# KiCad board panelized.kicad_pcb (continued)
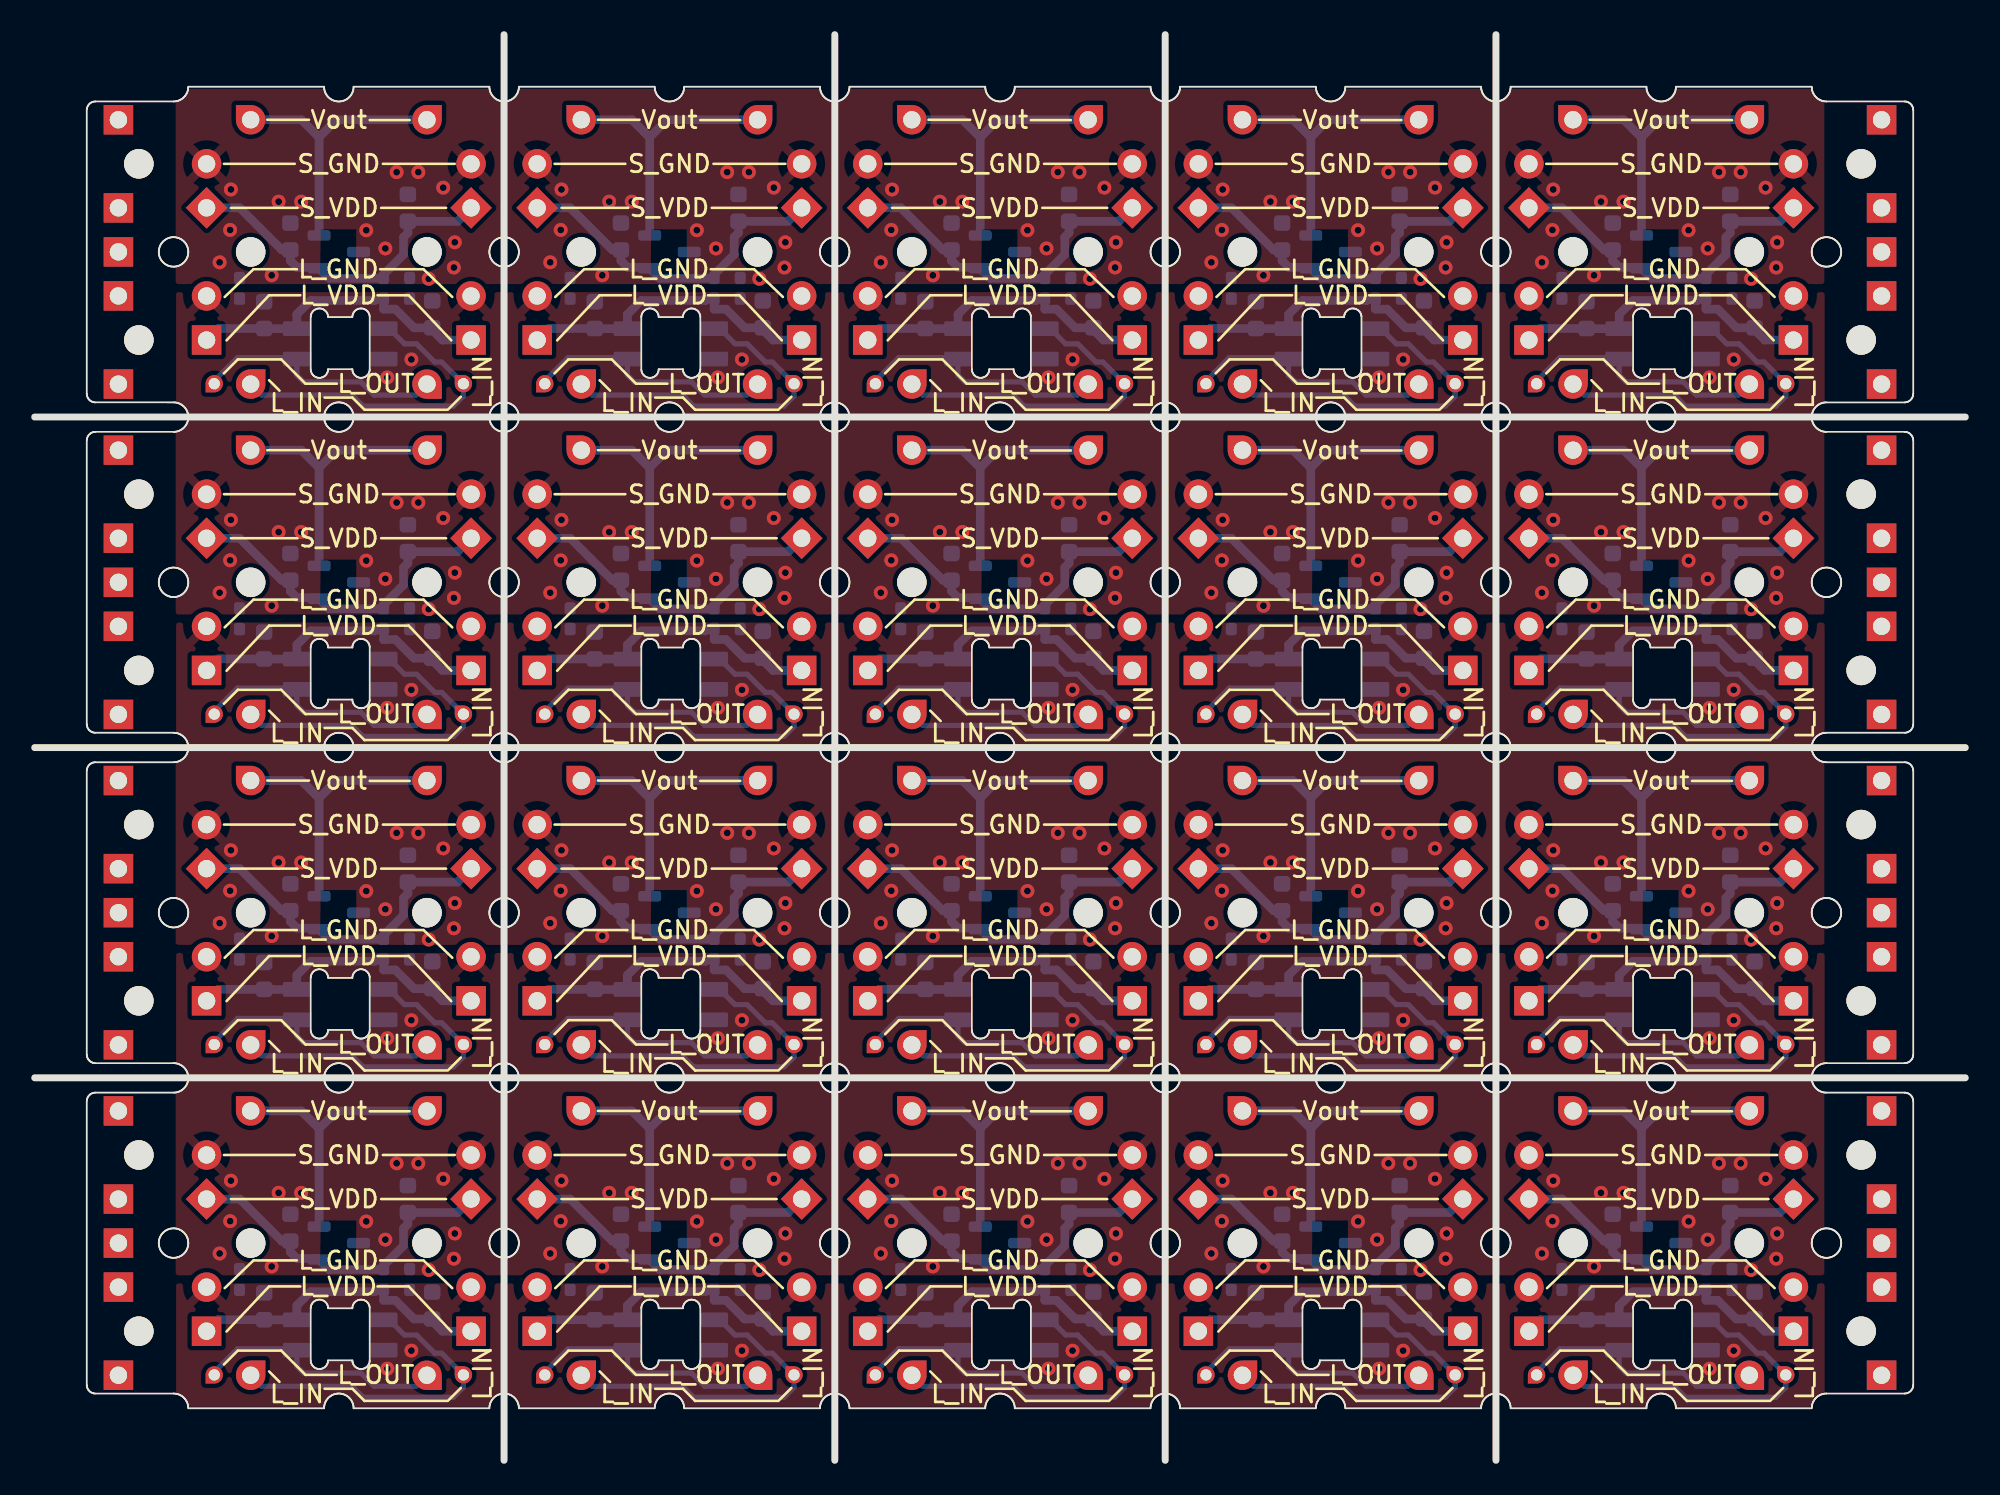
[diagram p0: board, top side]
## Placement (name value [footprint] x y rotation side) (continued)
J9#2  Conn_01x01_Pin  [PinHeader_1x01_P2.54mm_Vertical]  98.81 20.14 90 bottom
J9#3  Conn_01x01_Pin  [PinHeader_1x01_P2.54mm_Vertical]  79.75 39.2 90 bottom
J9#4  Conn_01x01_Pin  [PinHeader_1x01_P2.54mm_Vertical]  22.61 77.3 90 bottom
J9#5  Conn_01x01_Pin  [PinHeader_1x01_P2.54mm_Vertical]  41.66 58.25 90 bottom
J9#6  Conn_01x01_Pin  [PinHeader_1x01_P2.54mm_Vertical]  98.81 39.2 90 bottom
J9#7  Conn_01x01_Pin  [PinHeader_1x01_P2.54mm_Vertical]  22.61 39.2 90 bottom
J9#8  Conn_01x01_Pin  [PinHeader_1x01_P2.54mm_Vertical]  41.66 39.2 90 bottom
J9#9  Conn_01x01_Pin  [PinHeader_1x01_P2.54mm_Vertical]  41.66 20.14 90 bottom
J9#10  Conn_01x01_Pin  [PinHeader_1x01_P2.54mm_Vertical]  22.61 20.14 90 bottom
J9#11  Conn_01x01_Pin  [PinHeader_1x01_P2.54mm_Vertical]  60.71 77.3 90 bottom
J9#12  Conn_01x01_Pin  [PinHeader_1x01_P2.54mm_Vertical]  79.75 20.14 90 bottom
J9#13  Conn_01x01_Pin  [PinHeader_1x01_P2.54mm_Vertical]  98.81 77.3 90 bottom
J9#14  Conn_01x01_Pin  [PinHeader_1x01_P2.54mm_Vertical]  41.66 77.3 90 bottom
J9#15  Conn_01x01_Pin  [PinHeader_1x01_P2.54mm_Vertical]  60.71 20.14 90 bottom
J9#16  Conn_01x01_Pin  [PinHeader_1x01_P2.54mm_Vertical]  60.71 58.25 90 bottom
J9#17  Conn_01x01_Pin  [PinHeader_1x01_P2.54mm_Vertical]  60.71 39.2 90 bottom
J9#18  Conn_01x01_Pin  [PinHeader_1x01_P2.54mm_Vertical]  22.61 58.25 90 bottom
J9#19  Conn_01x01_Pin  [PinHeader_1x01_P2.54mm_Vertical]  79.75 58.25 90 bottom
J9#20  Conn_01x01_Pin  [PinHeader_1x01_P2.54mm_Vertical]  98.81 58.25 90 bottom
J10  Conn_01x01_Pin  [PinHeader_1x01_P2.54mm_Vertical]  31.5 77.3 180 bottom
J10#2  Conn_01x01_Pin  [PinHeader_1x01_P2.54mm_Vertical]  12.44 77.3 180 bottom
J10#3  Conn_01x01_Pin  [PinHeader_1x01_P2.54mm_Vertical]  31.5 58.25 180 bottom
J10#4  Conn_01x01_Pin  [PinHeader_1x01_P2.54mm_Vertical]  50.54 77.3 180 bottom
J10#5  Conn_01x01_Pin  [PinHeader_1x01_P2.54mm_Vertical]  88.65 77.3 180 bottom
J10#6  Conn_01x01_Pin  [PinHeader_1x01_P2.54mm_Vertical]  88.65 20.14 180 bottom
J10#7  Conn_01x01_Pin  [PinHeader_1x01_P2.54mm_Vertical]  69.59 77.3 180 bottom
J10#8  Conn_01x01_Pin  [PinHeader_1x01_P2.54mm_Vertical]  69.59 58.25 180 bottom
J10#9  Conn_01x01_Pin  [PinHeader_1x01_P2.54mm_Vertical]  12.44 39.2 180 bottom
J10#10  Conn_01x01_Pin  [PinHeader_1x01_P2.54mm_Vertical]  50.54 39.2 180 bottom
J10#11  Conn_01x01_Pin  [PinHeader_1x01_P2.54mm_Vertical]  88.65 39.2 180 bottom
J10#12  Conn_01x01_Pin  [PinHeader_1x01_P2.54mm_Vertical]  50.54 20.14 180 bottom
J10#13  Conn_01x01_Pin  [PinHeader_1x01_P2.54mm_Vertical]  88.65 58.25 180 bottom
J10#14  Conn_01x01_Pin  [PinHeader_1x01_P2.54mm_Vertical]  31.5 20.14 180 bottom
J10#15  Conn_01x01_Pin  [PinHeader_1x01_P2.54mm_Vertical]  12.44 20.14 180 bottom
J10#16  Conn_01x01_Pin  [PinHeader_1x01_P2.54mm_Vertical]  31.5 39.2 180 bottom
J10#17  Conn_01x01_Pin  [PinHeader_1x01_P2.54mm_Vertical]  12.44 58.25 180 bottom
J10#18  Conn_01x01_Pin  [PinHeader_1x01_P2.54mm_Vertical]  50.54 58.25 180 bottom
J10#19  Conn_01x01_Pin  [PinHeader_1x01_P2.54mm_Vertical]  69.59 39.2 180 bottom
J10#20  Conn_01x01_Pin  [PinHeader_1x01_P2.54mm_Vertical]  69.59 20.14 180 bottom
J11  Conn_01x01_Pin  [PinHeader_1x01_P1.27mm_Vertical]  10.34 62.08 180 bottom
J11#2  Conn_01x01_Pin  [PinHeader_1x01_P1.27mm_Vertical]  48.44 43.03 180 bottom
J11#3  Conn_01x01_Pin  [PinHeader_1x01_P1.27mm_Vertical]  48.44 4.92 180 bottom
J11#4  Conn_01x01_Pin  [PinHeader_1x01_P1.27mm_Vertical]  29.39 4.92 180 bottom
J11#5  Conn_01x01_Pin  [PinHeader_1x01_P1.27mm_Vertical]  86.54 43.03 180 bottom
J11#6  Conn_01x01_Pin  [PinHeader_1x01_P1.27mm_Vertical]  10.34 43.03 180 bottom
J11#7  Conn_01x01_Pin  [PinHeader_1x01_P1.27mm_Vertical]  10.34 23.98 180 bottom
J11#8  Conn_01x01_Pin  [PinHeader_1x01_P1.27mm_Vertical]  86.54 23.98 180 bottom
J11#9  Conn_01x01_Pin  [PinHeader_1x01_P1.27mm_Vertical]  67.5 23.98 180 bottom
J11#10  Conn_01x01_Pin  [PinHeader_1x01_P1.27mm_Vertical]  67.5 4.92 180 bottom
J11#11  Conn_01x01_Pin  [PinHeader_1x01_P1.27mm_Vertical]  48.44 62.08 180 bottom
J11#12  Conn_01x01_Pin  [PinHeader_1x01_P1.27mm_Vertical]  67.5 62.08 180 bottom
J11#13  Conn_01x01_Pin  [PinHeader_1x01_P1.27mm_Vertical]  29.39 43.03 180 bottom
J11#14  Conn_01x01_Pin  [PinHeader_1x01_P1.27mm_Vertical]  67.5 43.03 180 bottom
J11#15  Conn_01x01_Pin  [PinHeader_1x01_P1.27mm_Vertical]  29.39 62.08 180 bottom
J11#16  Conn_01x01_Pin  [PinHeader_1x01_P1.27mm_Vertical]  10.34 4.92 180 bottom
J11#17  Conn_01x01_Pin  [PinHeader_1x01_P1.27mm_Vertical]  86.54 4.92 180 bottom
J11#18  Conn_01x01_Pin  [PinHeader_1x01_P1.27mm_Vertical]  48.44 23.98 180 bottom
J11#19  Conn_01x01_Pin  [PinHeader_1x01_P1.27mm_Vertical]  29.39 23.98 180 bottom
J11#20  Conn_01x01_Pin  [PinHeader_1x01_P1.27mm_Vertical]  86.54 62.08 180 bottom
J12  Conn_01x01_Pin  [PinHeader_1x01_P2.54mm_Vertical]  41.66 62.05 180 bottom
J12#2  Conn_01x01_Pin  [PinHeader_1x01_P2.54mm_Vertical]  22.61 43.01 180 bottom
J12#3  Conn_01x01_Pin  [PinHeader_1x01_P2.54mm_Vertical]  98.81 43.01 180 bottom
J12#4  Conn_01x01_Pin  [PinHeader_1x01_P2.54mm_Vertical]  60.71 43.01 180 bottom
J12#5  Conn_01x01_Pin  [PinHeader_1x01_P2.54mm_Vertical]  41.66 23.95 180 bottom
J12#6  Conn_01x01_Pin  [PinHeader_1x01_P2.54mm_Vertical]  98.81 4.91 180 bottom
J12#7  Conn_01x01_Pin  [PinHeader_1x01_P2.54mm_Vertical]  98.81 62.05 180 bottom
J12#8  Conn_01x01_Pin  [PinHeader_1x01_P2.54mm_Vertical]  22.61 62.05 180 bottom
J12#9  Conn_01x01_Pin  [PinHeader_1x01_P2.54mm_Vertical]  79.75 62.05 180 bottom
J12#10  Conn_01x01_Pin  [PinHeader_1x01_P2.54mm_Vertical]  60.71 62.05 180 bottom
J12#11  Conn_01x01_Pin  [PinHeader_1x01_P2.54mm_Vertical]  79.75 43.01 180 bottom
J12#12  Conn_01x01_Pin  [PinHeader_1x01_P2.54mm_Vertical]  41.66 43.01 180 bottom
J12#13  Conn_01x01_Pin  [PinHeader_1x01_P2.54mm_Vertical]  22.61 23.95 180 bottom
J12#14  Conn_01x01_Pin  [PinHeader_1x01_P2.54mm_Vertical]  60.71 23.95 180 bottom
J12#15  Conn_01x01_Pin  [PinHeader_1x01_P2.54mm_Vertical]  79.75 4.91 180 bottom
J12#16  Conn_01x01_Pin  [PinHeader_1x01_P2.54mm_Vertical]  98.81 23.95 180 bottom
J12#17  Conn_01x01_Pin  [PinHeader_1x01_P2.54mm_Vertical]  41.66 4.91 180 bottom
J12#18  Conn_01x01_Pin  [PinHeader_1x01_P2.54mm_Vertical]  60.71 4.91 180 bottom
J12#19  Conn_01x01_Pin  [PinHeader_1x01_P2.54mm_Vertical]  22.61 4.91 180 bottom
J12#20  Conn_01x01_Pin  [PinHeader_1x01_P2.54mm_Vertical]  79.75 23.95 180 bottom
J13  Conn_01x01_Pin  [PinHeader_1x01_P1.27mm_Vertical]  62.81 23.98 180 bottom
J13#2  Conn_01x01_Pin  [PinHeader_1x01_P1.27mm_Vertical]  81.85 23.98 180 bottom
J13#3  Conn_01x01_Pin  [PinHeader_1x01_P1.27mm_Vertical]  43.75 62.08 180 bottom
J13#4  Conn_01x01_Pin  [PinHeader_1x01_P1.27mm_Vertical]  24.7 23.98 180 bottom
J13#5  Conn_01x01_Pin  [PinHeader_1x01_P1.27mm_Vertical]  43.75 23.98 180 bottom
J13#6  Conn_01x01_Pin  [PinHeader_1x01_P1.27mm_Vertical]  100.91 62.08 180 bottom
J13#7  Conn_01x01_Pin  [PinHeader_1x01_P1.27mm_Vertical]  43.75 43.03 180 bottom
J13#8  Conn_01x01_Pin  [PinHeader_1x01_P1.27mm_Vertical]  62.81 4.92 180 bottom
J13#9  Conn_01x01_Pin  [PinHeader_1x01_P1.27mm_Vertical]  62.81 62.08 180 bottom
J13#10  Conn_01x01_Pin  [PinHeader_1x01_P1.27mm_Vertical]  81.85 62.08 180 bottom
J13#11  Conn_01x01_Pin  [PinHeader_1x01_P1.27mm_Vertical]  24.7 43.03 180 bottom
J13#12  Conn_01x01_Pin  [PinHeader_1x01_P1.27mm_Vertical]  100.91 4.92 180 bottom
J13#13  Conn_01x01_Pin  [PinHeader_1x01_P1.27mm_Vertical]  81.85 4.92 180 bottom
J13#14  Conn_01x01_Pin  [PinHeader_1x01_P1.27mm_Vertical]  81.85 43.03 180 bottom
J13#15  Conn_01x01_Pin  [PinHeader_1x01_P1.27mm_Vertical]  43.75 4.92 180 bottom
J13#16  Conn_01x01_Pin  [PinHeader_1x01_P1.27mm_Vertical]  24.7 62.08 180 bottom
J13#17  Conn_01x01_Pin  [PinHeader_1x01_P1.27mm_Vertical]  62.81 43.03 180 bottom
J13#18  Conn_01x01_Pin  [PinHeader_1x01_P1.27mm_Vertical]  100.91 23.98 180 bottom
J13#19  Conn_01x01_Pin  [PinHeader_1x01_P1.27mm_Vertical]  24.7 4.92 180 bottom
J13#20  Conn_01x01_Pin  [PinHeader_1x01_P1.27mm_Vertical]  100.91 43.03 180 bottom
J14  Conn_01x01_Pin  [PinHeader_1x01_P2.54mm_Vertical]  88.65 62.05 90 bottom
J14#2  Conn_01x01_Pin  [PinHeader_1x01_P2.54mm_Vertical]  31.5 62.05 90 bottom
J14#3  Conn_01x01_Pin  [PinHeader_1x01_P2.54mm_Vertical]  50.54 62.05 90 bottom
J14#4  Conn_01x01_Pin  [PinHeader_1x01_P2.54mm_Vertical]  12.44 62.05 90 bottom
J14#5  Conn_01x01_Pin  [PinHeader_1x01_P2.54mm_Vertical]  88.65 43.01 90 bottom
J14#6  Conn_01x01_Pin  [PinHeader_1x01_P2.54mm_Vertical]  50.54 23.95 90 bottom
J14#7  Conn_01x01_Pin  [PinHeader_1x01_P2.54mm_Vertical]  88.65 23.95 90 bottom
J14#8  Conn_01x01_Pin  [PinHeader_1x01_P2.54mm_Vertical]  69.59 62.05 90 bottom
J14#9  Conn_01x01_Pin  [PinHeader_1x01_P2.54mm_Vertical]  12.44 4.91 90 bottom
J14#10  Conn_01x01_Pin  [PinHeader_1x01_P2.54mm_Vertical]  69.59 23.95 90 bottom
J14#11  Conn_01x01_Pin  [PinHeader_1x01_P2.54mm_Vertical]  12.44 43.01 90 bottom
J14#12  Conn_01x01_Pin  [PinHeader_1x01_P2.54mm_Vertical]  31.5 43.01 90 bottom
J14#13  Conn_01x01_Pin  [PinHeader_1x01_P2.54mm_Vertical]  12.44 23.95 90 bottom
J14#14  Conn_01x01_Pin  [PinHeader_1x01_P2.54mm_Vertical]  69.59 4.91 90 bottom
J14#15  Conn_01x01_Pin  [PinHeader_1x01_P2.54mm_Vertical]  31.5 4.91 90 bottom
J14#16  Conn_01x01_Pin  [PinHeader_1x01_P2.54mm_Vertical]  69.59 43.01 90 bottom
J14#17  Conn_01x01_Pin  [PinHeader_1x01_P2.54mm_Vertical]  50.54 43.01 90 bottom
J14#18  Conn_01x01_Pin  [PinHeader_1x01_P2.54mm_Vertical]  88.65 4.91 90 bottom
J14#19  Conn_01x01_Pin  [PinHeader_1x01_P2.54mm_Vertical]  50.54 4.91 90 bottom
J14#20  Conn_01x01_Pin  [PinHeader_1x01_P2.54mm_Vertical]  31.5 23.95 90 bottom
NOREF  -  [unnamed]  4.83 48.09 270 top
NOREF#2  -  [unnamed]  4.83 9.98 270 top
NOREF#3  -  [unnamed]  4.83 67.14 270 top
NOREF#4  -  [unnamed]  4.83 29.03 270 top
NOREF#5  -  [unnamed]  106.43 9.98 180 top
NOREF#6  -  [unnamed]  106.43 48.09 180 top
NOREF#7  -  [unnamed]  106.43 29.03 180 top
NOREF#8  -  [unnamed]  106.43 67.14 180 top
NOREF#9  -  [unnamed]  106.43 77.3 90 top
NOREF#10  -  [unnamed]  106.43 20.14 90 top
NOREF#11  -  [unnamed]  106.43 58.25 90 top
NOREF#12  -  [unnamed]  106.43 39.2 90 top
NOREF#13  -  [unnamed]  4.83 53.17 0 top
NOREF#14  -  [unnamed]  4.83 34.12 0 top
NOREF#15  -  [unnamed]  4.83 15.06 0 top
NOREF#16  -  [unnamed]  4.83 72.22 0 top
NOREF#17  -  [unnamed]  4.83 62.05 270 top
NOREF#18  -  [unnamed]  4.83 43.01 270 top
NOREF#19  -  [unnamed]  4.83 23.95 270 top
NOREF#20  -  [unnamed]  4.83 4.91 270 top
NOREF#21  -  [unnamed]  106.43 23.95 90 top
NOREF#22  -  [unnamed]  106.43 4.91 90 top
NOREF#23  -  [unnamed]  106.43 62.05 90 top
NOREF#24  -  [unnamed]  106.43 43.01 90 top
NOREF#25  -  [unnamed]  106.43 12.53 180 top
NOREF#26  -  [unnamed]  106.43 69.68 180 top
NOREF#27  -  [unnamed]  106.43 50.62 180 top
NOREF#28  -  [unnamed]  106.43 31.58 180 top
NOREF#29  -  [unnamed]  4.83 50.62 0 top
NOREF#30  -  [unnamed]  4.83 12.53 0 top
NOREF#31  -  [unnamed]  4.83 69.68 0 top
NOREF#32  -  [unnamed]  4.83 31.58 0 top
NOREF#33  -  [unnamed]  4.83 39.2 270 top
NOREF#34  -  [unnamed]  4.83 77.3 270 top
NOREF#35  -  [unnamed]  4.83 20.14 270 top
NOREF#36  -  [unnamed]  4.83 58.25 270 top
NOREF#37  -  [unnamed]  106.43 15.06 90 top
NOREF#38  -  [unnamed]  106.43 34.12 90 top
NOREF#39  -  [unnamed]  106.43 53.17 90 top
NOREF#40  -  [unnamed]  106.43 72.22 90 top
R1  R  [R_0402_1005Metric_Pad0.72x0.64mm_HandSolder]  40.66 10.42 90 bottom
R1#2  R  [R_0402_1005Metric_Pad0.72x0.64mm_HandSolder]  21.61 29.48 90 bottom
R1#3  R  [R_0402_1005Metric_Pad0.72x0.64mm_HandSolder]  59.71 29.48 90 bottom
R1#4  R  [R_0402_1005Metric_Pad0.72x0.64mm_HandSolder]  21.61 10.42 90 bottom
R1#5  R  [R_0402_1005Metric_Pad0.72x0.64mm_HandSolder]  78.75 10.42 90 bottom
R1#6  R  [R_0402_1005Metric_Pad0.72x0.64mm_HandSolder]  59.71 10.42 90 bottom
R1#7  R  [R_0402_1005Metric_Pad0.72x0.64mm_HandSolder]  97.81 48.53 90 bottom
R1#8  R  [R_0402_1005Metric_Pad0.72x0.64mm_HandSolder]  97.81 67.58 90 bottom
R1#9  R  [R_0402_1005Metric_Pad0.72x0.64mm_HandSolder]  97.81 29.48 90 bottom
R1#10  R  [R_0402_1005Metric_Pad0.72x0.64mm_HandSolder]  40.66 29.48 90 bottom
R1#11  R  [R_0402_1005Metric_Pad0.72x0.64mm_HandSolder]  59.71 67.58 90 bottom
R1#12  R  [R_0402_1005Metric_Pad0.72x0.64mm_HandSolder]  97.81 10.42 90 bottom
R1#13  R  [R_0402_1005Metric_Pad0.72x0.64mm_HandSolder]  21.61 48.53 90 bottom
R1#14  R  [R_0402_1005Metric_Pad0.72x0.64mm_HandSolder]  21.61 67.58 90 bottom
R1#15  R  [R_0402_1005Metric_Pad0.72x0.64mm_HandSolder]  40.66 48.53 90 bottom
R1#16  R  [R_0402_1005Metric_Pad0.72x0.64mm_HandSolder]  40.66 67.58 90 bottom
R1#17  R  [R_0402_1005Metric_Pad0.72x0.64mm_HandSolder]  78.75 29.48 90 bottom
R1#18  R  [R_0402_1005Metric_Pad0.72x0.64mm_HandSolder]  59.71 48.53 90 bottom
R1#19  R  [R_0402_1005Metric_Pad0.72x0.64mm_HandSolder]  78.75 48.53 90 bottom
R1#20  R  [R_0402_1005Metric_Pad0.72x0.64mm_HandSolder]  78.75 67.58 90 bottom
R2  R  [R_0402_1005Metric_Pad0.72x0.64mm_HandSolder]  49.91 10.42 90 bottom
R2#2  R  [R_0402_1005Metric_Pad0.72x0.64mm_HandSolder]  30.86 48.53 90 bottom
R2#3  R  [R_0402_1005Metric_Pad0.72x0.64mm_HandSolder]  11.81 29.48 90 bottom
R2#4  R  [R_0402_1005Metric_Pad0.72x0.64mm_HandSolder]  49.91 29.48 90 bottom
R2#5  R  [R_0402_1005Metric_Pad0.72x0.64mm_HandSolder]  68.96 67.58 90 bottom
R2#6  R  [R_0402_1005Metric_Pad0.72x0.64mm_HandSolder]  11.81 48.53 90 bottom
R2#7  R  [R_0402_1005Metric_Pad0.72x0.64mm_HandSolder]  11.81 10.42 90 bottom
R2#8  R  [R_0402_1005Metric_Pad0.72x0.64mm_HandSolder]  68.96 29.48 90 bottom
R2#9  R  [R_0402_1005Metric_Pad0.72x0.64mm_HandSolder]  88 29.48 90 bottom
R2#10  R  [R_0402_1005Metric_Pad0.72x0.64mm_HandSolder]  88 48.53 90 bottom
R2#11  R  [R_0402_1005Metric_Pad0.72x0.64mm_HandSolder]  30.86 67.58 90 bottom
R2#12  R  [R_0402_1005Metric_Pad0.72x0.64mm_HandSolder]  11.81 67.58 90 bottom
R2#13  R  [R_0402_1005Metric_Pad0.72x0.64mm_HandSolder]  49.91 48.53 90 bottom
R2#14  R  [R_0402_1005Metric_Pad0.72x0.64mm_HandSolder]  88 10.42 90 bottom
R2#15  R  [R_0402_1005Metric_Pad0.72x0.64mm_HandSolder]  49.91 67.58 90 bottom
R2#16  R  [R_0402_1005Metric_Pad0.72x0.64mm_HandSolder]  88 67.58 90 bottom
R2#17  R  [R_0402_1005Metric_Pad0.72x0.64mm_HandSolder]  30.86 29.48 90 bottom
R2#18  R  [R_0402_1005Metric_Pad0.72x0.64mm_HandSolder]  68.96 48.53 90 bottom
R2#19  R  [R_0402_1005Metric_Pad0.72x0.64mm_HandSolder]  68.96 10.42 90 bottom
R2#20  R  [R_0402_1005Metric_Pad0.72x0.64mm_HandSolder]  30.86 10.42 90 bottom
R3  R  [R_0402_1005Metric_Pad0.72x0.64mm_HandSolder]  77.25 67.58 90 bottom
R3#2  R  [R_0402_1005Metric_Pad0.72x0.64mm_HandSolder]  96.31 10.42 90 bottom
R3#3  R  [R_0402_1005Metric_Pad0.72x0.64mm_HandSolder]  39.16 67.58 90 bottom
R3#4  R  [R_0402_1005Metric_Pad0.72x0.64mm_HandSolder]  77.25 48.53 90 bottom
R3#5  R  [R_0402_1005Metric_Pad0.72x0.64mm_HandSolder]  20.11 67.58 90 bottom
R3#6  R  [R_0402_1005Metric_Pad0.72x0.64mm_HandSolder]  20.11 48.53 90 bottom
R3#7  R  [R_0402_1005Metric_Pad0.72x0.64mm_HandSolder]  58.21 29.48 90 bottom
R3#8  R  [R_0402_1005Metric_Pad0.72x0.64mm_HandSolder]  96.31 67.58 90 bottom
R3#9  R  [R_0402_1005Metric_Pad0.72x0.64mm_HandSolder]  96.31 48.53 90 bottom
R3#10  R  [R_0402_1005Metric_Pad0.72x0.64mm_HandSolder]  39.16 48.53 90 bottom
R3#11  R  [R_0402_1005Metric_Pad0.72x0.64mm_HandSolder]  58.21 67.58 90 bottom
R3#12  R  [R_0402_1005Metric_Pad0.72x0.64mm_HandSolder]  20.11 29.48 90 bottom
R3#13  R  [R_0402_1005Metric_Pad0.72x0.64mm_HandSolder]  39.16 29.48 90 bottom
R3#14  R  [R_0402_1005Metric_Pad0.72x0.64mm_HandSolder]  77.25 10.42 90 bottom
R3#15  R  [R_0402_1005Metric_Pad0.72x0.64mm_HandSolder]  39.16 10.42 90 bottom
R3#16  R  [R_0402_1005Metric_Pad0.72x0.64mm_HandSolder]  58.21 10.42 90 bottom
R3#17  R  [R_0402_1005Metric_Pad0.72x0.64mm_HandSolder]  77.25 29.48 90 bottom
R3#18  R  [R_0402_1005Metric_Pad0.72x0.64mm_HandSolder]  96.31 29.48 90 bottom
R3#19  R  [R_0402_1005Metric_Pad0.72x0.64mm_HandSolder]  20.11 10.42 90 bottom
R3#20  R  [R_0402_1005Metric_Pad0.72x0.64mm_HandSolder]  58.21 48.53 90 bottom
SW  -  [SW_Lekker_MX_1.00u_PCB]  17.53 69.68 180 top
SW#2  -  [SW_Lekker_MX_1.00u_PCB]  55.62 69.68 180 top
SW#3  -  [SW_Lekker_MX_1.00u_PCB]  74.68 31.58 180 top
SW#4  -  [SW_Lekker_MX_1.00u_PCB]  93.72 50.62 180 top
SW#5  -  [SW_Lekker_MX_1.00u_PCB]  17.53 12.53 180 top
SW#6  -  [SW_Lekker_MX_1.00u_PCB]  36.57 12.53 180 top
SW#7  -  [SW_Lekker_MX_1.00u_PCB]  36.57 31.58 180 top
SW#8  -  [SW_Lekker_MX_1.00u_PCB]  36.57 50.62 180 top
SW#9  -  [SW_Lekker_MX_1.00u_PCB]  93.72 69.68 180 top
SW#10  -  [SW_Lekker_MX_1.00u_PCB]  74.68 12.53 180 top
SW#11  -  [SW_Lekker_MX_1.00u_PCB]  93.72 12.53 180 top
SW#12  -  [SW_Lekker_MX_1.00u_PCB]  55.62 12.53 180 top
SW#13  -  [SW_Lekker_MX_1.00u_PCB]  17.53 50.62 180 top
SW#14  -  [SW_Lekker_MX_1.00u_PCB]  17.53 31.58 180 top
SW#15  -  [SW_Lekker_MX_1.00u_PCB]  55.62 50.62 180 top
SW#16  -  [SW_Lekker_MX_1.00u_PCB]  93.72 31.58 180 top
SW#17  -  [SW_Lekker_MX_1.00u_PCB]  74.68 50.62 180 top
SW#18  -  [SW_Lekker_MX_1.00u_PCB]  36.57 69.68 180 top
SW#19  -  [SW_Lekker_MX_1.00u_PCB]  74.68 69.68 180 top
SW#20  -  [SW_Lekker_MX_1.00u_PCB]  55.62 31.58 180 top
U1  SLSS49E  [SOT-23-3]  93.72 50.62 0 bottom
U1#2  SLSS49E  [SOT-23-3]  17.53 31.58 0 bottom
U1#3  SLSS49E  [SOT-23-3]  74.68 12.53 0 bottom
U1#4  SLSS49E  [SOT-23-3]  93.72 69.68 0 bottom
U1#5  SLSS49E  [SOT-23-3]  36.57 31.58 0 bottom
U1#6  SLSS49E  [SOT-23-3]  36.57 12.53 0 bottom
U1#7  SLSS49E  [SOT-23-3]  93.72 12.53 0 bottom
U1#8  SLSS49E  [SOT-23-3]  55.62 69.68 0 bottom
U1#9  SLSS49E  [SOT-23-3]  55.62 12.53 0 bottom
U1#10  SLSS49E  [SOT-23-3]  17.53 12.53 0 bottom
U1#11  SLSS49E  [SOT-23-3]  74.68 50.62 0 bottom
U1#12  SLSS49E  [SOT-23-3]  36.57 50.62 0 bottom
U1#13  SLSS49E  [SOT-23-3]  17.53 50.62 0 bottom
U1#14  SLSS49E  [SOT-23-3]  17.53 69.68 0 bottom
U1#15  SLSS49E  [SOT-23-3]  55.62 31.58 0 bottom
U1#16  SLSS49E  [SOT-23-3]  74.68 31.58 0 bottom
U1#17  SLSS49E  [SOT-23-3]  93.72 31.58 0 bottom
U1#18  SLSS49E  [SOT-23-3]  55.62 50.62 0 bottom
U1#19  SLSS49E  [SOT-23-3]  74.68 69.68 0 bottom
U1#20  SLSS49E  [SOT-23-3]  36.57 69.68 0 bottom

## Library data of the parts
C1 C1#2-C1#20 C2 C2#2-C2#20 C3 C3#2-C3#20 C4 C4#2-C4#20 = -: Description: Unpolarized capacitor
J1 J1#2-J1#20 J2 J2#2-J2#20 J3 J3#2-J3#20 J4 J4#2-J4#20 J5 J5#2-J5#20 J6 J6#2-J6#20 J7 J7#2-J7#20 J8 J8#2-J8#20 J9 J9#2-J9#20 J10 J10#2-J10#20 J11 J11#2-J11#20 J12 J12#2-J12#20 J13 J13#2-J13#20 J14 J14#2-J14#20 = -: Description: Generic connector, single row, 01x01, script generated
R1 R1#2-R1#20 R2 R2#2-R2#20 R3 R3#2-R3#20 = -: Description: Resistor

## Footprints (pads in the part's own frame, mm; a bottom-side part is the same pattern mirrored in y, then rotated)
C_0603_1608Metric
  rrect 0.9x0.95 smd: 1(-0.775,0) 2(0.775,0)
NPTH
  round 1.7 hole 1.7 unplated: (0,0)
PinHeader_1x01_P1.27mm_Vertical
  custom 1x1 hole 0.65: 1(0,0)
PinHeader_1x01_P2.54mm_Vertical
  custom 1.7x1.7 hole 1: 1(0,0)
PinHeader_1x01_P2.54mm_Vertical#2
  rect 1.7x1.7 hole 1: 1(0,0)
PinHeader_1x01_P2.54mm_Vertical#3
  round 1.7 hole 1: 1(0,0)
PinHeader_1x01_P2.54mm_Vertical#4
  rect 1.7x1.7 hole 1 rot 135: 1(0,0)
R_0402_1005Metric_Pad0.72x0.64mm_HandSolder
  rrect 0.715x0.64 smd: 1(-0.598,0) 2(0.598,0)
SK6812_mini_e_flipable
  rrect 1.6x0.85 smd: 1(-2.5,-0.875) 2(-2.5,0.875) 3(2.5,0.875) 4(2.5,-0.875)
SOT-23-3
  rrect 1.325x0.6 smd: 1(-1.137,0.95) 2(-1.137,-0.95) 3(1.137,0)
SW_Lekker_MX_1.00u_PCB
  round 1.7 hole 1.7 unplated: (-5.08,0) (5.08,0)
unnamed
  rect 1.7x1.7 hole 1: 1(0,0)

## Nets
Board_0-GNDA: C3#14.1 C4#14.1 J3#8.1 J4#19.1 R1#14.2 R2#12.2 U1#14.3
Board_0-GNDD: C1#8.1 C2#15.1 D1#12.3 J7#18.1 J8#6.1 R1#14.1 R2#12.1
Board_0-LED_IN: D1#12.4 J13#16.1 J14#4.1
Board_0-LED_OUT: D1#12.2 J11.1 J12#8.1
Board_0-VDD: C1#8.2 C2#15.2 D1#12.1 J1#11.1 J2#8.1 R3#5.1
Board_0-VDDA: C3#14.2 C4#14.2 J5.1 J6#18.1 R3#5.2 U1#14.1
Board_0-Vout: J9#4.1 J10#2.1 U1#14.2
Board_1-GNDA: C3#19.1 C4.1 J3#6.1 J4#10.1 R1#16.2 R2#11.2 U1#20.3
Board_1-GNDD: C1#9.1 C2#5.1 D1#5.3 J7#6.1 J8#10.1 R1#16.1 R2#11.1
Board_1-LED_IN: D1#5.4 J13#3.1 J14#2.1
Board_1-LED_OUT: D1#5.2 J11#15.1 J12.1
Board_1-VDD: C1#9.2 C2#5.2 D1#5.1 J1#16.1 J2#14.1 R3#3.1
Board_1-VDDA: C3#19.2 C4.2 J5#20.1 J6#10.1 R3#3.2 U1#20.1
Board_1-Vout: J9#14.1 J10.1 U1#20.2
Board_2-GNDA: C3#10.1 C4#6.1 J3#5.1 J4#13.1 R1#11.2 R2#15.2 U1#8.3
Board_2-GNDD: C1#7.1 C2#9.1 D1#6.3 J7#5.1 J8#15.1 R1#11.1 R2#15.1
Board_2-LED_IN: D1#6.4 J13#9.1 J14#3.1
Board_2-LED_OUT: D1#6.2 J11#11.1 J12#10.1
Board_2-VDD: C1#7.2 C2#9.2 D1#6.1 J1#18.1 J2#3.1 R3#11.1
Board_2-VDDA: C3#10.2 C4#6.2 J5#9.1 J6#8.1 R3#11.2 U1#8.1
Board_2-Vout: J9#11.1 J10#4.1 U1#8.2
Board_3-GNDA: C3#20.1 C4#8.1 J3#18.1 J4#8.1 R1#20.2 R2#5.2 U1#19.3
Board_3-GNDD: C1#3.1 C2#2.1 D1#16.3 J7#16.1 J8#8.1 R1#20.1 R2#5.1
Board_3-LED_IN: D1#16.4 J13#10.1 J14#8.1
Board_3-LED_OUT: D1#16.2 J11#12.1 J12#9.1
Board_3-VDD: C1#3.2 C2#2.2 D1#16.1 J1#12.1 J2#15.1 R3.1
Board_3-VDDA: C3#20.2 C4#8.2 J5#16.1 J6#6.1 R3.2 U1#19.1
Board_3-Vout: J9.1 J10#7.1 U1#19.2
Board_4-GNDA: C3#16.1 C4#13.1 J3#14.1 J4#20.1 R1#8.2 R2#16.2 U1#4.3
Board_4-GNDD: C1#14.1 C2#7.1 D1#3.3 J7#20.1 J8#16.1 R1#8.1 R2#16.1
Board_4-LED_IN: D1#3.4 J13#6.1 J14.1
Board_4-LED_OUT: D1#3.2 J11#20.1 J12#7.1
Board_4-VDD: C1#14.2 C2#7.2 D1#3.1 J1#5.1 J2#17.1 R3#8.1
Board_4-VDDA: C3#16.2 C4#13.2 J5#7.1 J6#14.1 R3#8.2 U1#4.1
Board_4-Vout: J9#13.1 J10#5.1 U1#4.2
Board_5-GNDA: C3#12.1 C4#7.1 J3#16.1 J4#12.1 R1#13.2 R2#6.2 U1#13.3
Board_5-GNDD: C1#6.1 C2#14.1 D1#9.3 J7#11.1 J8#3.1 R1#13.1 R2#6.1
Board_5-LED_IN: D1#9.4 J13#11.1 J14#11.1
Board_5-LED_OUT: D1#9.2 J11#6.1 J12#2.1
Board_5-VDD: C1#6.2 C2#14.2 D1#9.1 J1#17.1 J2#16.1 R3#6.1
Board_5-VDDA: C3#12.2 C4#7.2 J5#8.1 J6#2.1 R3#6.2 U1#13.1
Board_5-Vout: J9#18.1 J10#17.1 U1#13.2
Board_6-GNDA: C3#8.1 C4#18.1 J3#9.1 J4.1 R1#15.2 R2#2.2 U1#12.3
Board_6-GNDD: C1#12.1 C2#11.1 D1#19.3 J7.1 J8.1 R1#15.1 R2#2.1
Board_6-LED_IN: D1#19.4 J13#7.1 J14#12.1
Board_6-LED_OUT: D1#19.2 J11#13.1 J12#12.1
Board_6-VDD: C1#12.2 C2#11.2 D1#19.1 J1#14.1 J2#10.1 R3#10.1
Board_6-VDDA: C3#8.2 C4#18.2 J5#15.1 J6#5.1 R3#10.2 U1#12.1
Board_6-Vout: J9#5.1 J10#3.1 U1#12.2
Board_7-GNDA: C3#13.1 C4#15.1 J3#20.1 J4#18.1 R1#18.2 R2#13.2 U1#18.3
Board_7-GNDD: C1#17.1 C2#6.1 D1#18.3 J7#15.1 J8#7.1 R1#18.1 R2#13.1
Board_7-LED_IN: D1#18.4 J13#17.1 J14#17.1
Board_7-LED_OUT: D1#18.2 J11#2.1 J12#4.1
Board_7-VDD: C1#17.2 C2#6.2 D1#18.1 J1#15.1 J2#11.1 R3#20.1
Board_7-VDDA: C3#13.2 C4#15.2 J5#5.1 J6.1 R3#20.2 U1#18.1
Board_7-Vout: J9#16.1 J10#18.1 U1#18.2
Board_8-GNDA: C3#18.1 C4#4.1 J3#15.1 J4#11.1 R1#19.2 R2#18.2 U1#11.3
Board_8-GNDD: C1#10.1 C2#3.1 D1#20.3 J7#12.1 J8#14.1 R1#19.1 R2#18.1
Board_8-LED_IN: D1#20.4 J13#14.1 J14#16.1
Board_8-LED_OUT: D1#20.2 J11#14.1 J12#11.1
Board_8-VDD: C1#10.2 C2#3.2 D1#20.1 J1#4.1 J2#2.1 R3#4.1
Board_8-VDDA: C3#18.2 C4#4.2 J5#18.1 J6#7.1 R3#4.2 U1#11.1
Board_8-Vout: J9#19.1 J10#8.1 U1#11.2
Board_9-GNDA: C3.1 C4#2.1 J3#11.1 J4#9.1 R1#7.2 R2#10.2 U1.3
Board_9-GNDD: C1#20.1 C2#4.1 D1#2.3 J7#14.1 J8#9.1 R1#7.1 R2#10.1
Board_9-LED_IN: D1#2.4 J13#20.1 J14#5.1
Board_9-LED_OUT: D1#2.2 J11#5.1 J12#3.1
Board_9-VDD: C1#20.2 C2#4.2 D1#2.1 J1#13.1 J2#20.1 R3#9.1
Board_9-VDDA: C3.2 C4#2.2 J5#2.1 J6#9.1 R3#9.2 U1.1
Board_9-Vout: J9#20.1 J10#13.1 U1.2
Board_10-GNDA: C3#6.1 C4#12.1 J3#4.1 J4#2.1 R1#2.2 R2#3.2 U1#2.3
Board_10-GNDD: C1#15.1 C2#20.1 D1.3 J7#2.1 J8#11.1 R1#2.1 R2#3.1
Board_10-LED_IN: D1.4 J13#4.1 J14#13.1
Board_10-LED_OUT: D1.2 J11#7.1 J12#13.1
Board_10-VDD: C1#15.2 C2#20.2 D1.1 J1#3.1 J2#7.1 R3#12.1
Board_10-VDDA: C3#6.2 C4#12.2 J5#6.1 J6#15.1 R3#12.2 U1#2.1
Board_10-Vout: J9#7.1 J10#9.1 U1#2.2
Board_11-GNDA: C3#9.1 C4#9.1 J3.1 J4#4.1 R1#10.2 R2#17.2 U1#5.3
Board_11-GNDD: C1#13.1 C2.1 D1#15.3 J7#10.1 J8#17.1 R1#10.1 R2#17.1
Board_11-LED_IN: D1#15.4 J13#5.1 J14#20.1
Board_11-LED_OUT: D1#15.2 J11#19.1 J12#5.1
Board_11-VDD: C1#13.2 C2.2 D1#15.1 J1#9.1 J2#13.1 R3#13.1
Board_11-VDDA: C3#9.2 C4#9.2 J5#13.1 J6#16.1 R3#13.2 U1#5.1
Board_11-Vout: J9#8.1 J10#16.1 U1#5.2
Board_12-GNDA: C3#11.1 C4#3.1 J3#7.1 J4#5.1 R1#3.2 R2#4.2 U1#15.3
Board_12-GNDD: C1.1 C2#13.1 D1#4.3 J7#4.1 J8#12.1 R1#3.1 R2#4.1
Board_12-LED_IN: D1#4.4 J13.1 J14#6.1
Board_12-LED_OUT: D1#4.2 J11#18.1 J12#14.1
Board_12-VDD: C1.2 C2#13.2 D1#4.1 J1#6.1 J2#5.1 R3#7.1
Board_12-VDDA: C3#11.2 C4#3.2 J5#14.1 J6#4.1 R3#7.2 U1#15.1
Board_12-Vout: J9#17.1 J10#10.1 U1#15.2
Board_13-GNDA: C3#5.1 C4#10.1 J3#17.1 J4#15.1 R1#17.2 R2#8.2 U1#16.3
Board_13-GNDD: C1#11.1 C2#19.1 D1#7.3 J7#3.1 J8#4.1 R1#17.1 R2#8.1
Board_13-LED_IN: D1#7.4 J13#2.1 J14#10.1
Board_13-LED_OUT: D1#7.2 J11#9.1 J12#20.1
Board_13-VDD: C1#11.2 C2#19.2 D1#7.1 J1#10.1 J2#12.1 R3#17.1
Board_13-VDDA: C3#5.2 C4#10.2 J5#17.1 J6#12.1 R3#17.2 U1#16.1
Board_13-Vout: J9#3.1 J10#19.1 U1#16.2
Board_14-GNDA: C3#2.1 C4#17.1 J3#12.1 J4#6.1 R1#9.2 R2#9.2 U1#17.3
Board_14-GNDD: C1#16.1 C2#8.1 D1#13.3 J7#19.1 J8#5.1 R1#9.1 R2#9.1
Board_14-LED_IN: D1#13.4 J13#18.1 J14#7.1
Board_14-LED_OUT: D1#13.2 J11#8.1 J12#16.1
Board_14-VDD: C1#16.2 C2#8.2 D1#13.1 J1#2.1 J2.1 R3#18.1
Board_14-VDDA: C3#2.2 C4#17.2 J5#19.1 J6#13.1 R3#18.2 U1#17.1
Board_14-Vout: J9#6.1 J10#11.1 U1#17.2
Board_15-GNDA: C3#7.1 C4#16.1 J3#19.1 J4#7.1 R1#4.2 R2#7.2 U1#10.3
Board_15-GNDD: C1#4.1 C2#17.1 D1#8.3 J7#13.1 J8#13.1 R1#4.1 R2#7.1
Board_15-LED_IN: D1#8.4 J13#19.1 J14#9.1
Board_15-LED_OUT: D1#8.2 J11#16.1 J12#19.1
Board_15-VDD: C1#4.2 C2#17.2 D1#8.1 J1#20.1 J2#18.1 R3#19.1
Board_15-VDDA: C3#7.2 C4#16.2 J5#10.1 J6#3.1 R3#19.2 U1#10.1
Board_15-Vout: J9#10.1 J10#15.1 U1#10.2
Board_16-GNDA: C3#4.1 C4#20.1 J3#3.1 J4#3.1 R1.2 R2#20.2 U1#6.3
Board_16-GNDD: C1#18.1 C2#18.1 D1#11.3 J7#17.1 J8#18.1 R1.1 R2#20.1
Board_16-LED_IN: D1#11.4 J13#15.1 J14#15.1
Board_16-LED_OUT: D1#11.2 J11#4.1 J12#17.1
Board_16-VDD: C1#18.2 C2#18.2 D1#11.1 J1#7.1 J2#19.1 R3#15.1
Board_16-VDDA: C3#4.2 C4#20.2 J5#11.1 J6#11.1 R3#15.2 U1#6.1
Board_16-Vout: J9#9.1 J10#14.1 U1#6.2
Board_17-GNDA: C3#17.1 C4#11.1 J3#13.1 J4#14.1 R1#6.2 R2.2 U1#9.3
Board_17-GNDD: C1#19.1 C2#12.1 D1#17.3 J7#7.1 J8#20.1 R1#6.1 R2.1
Board_17-LED_IN: D1#17.4 J13#8.1 J14#19.1
Board_17-LED_OUT: D1#17.2 J11#3.1 J12#18.1
Board_17-VDD: C1#19.2 C2#12.2 D1#17.1 J1#8.1 J2#6.1 R3#16.1
Board_17-VDDA: C3#17.2 C4#11.2 J5#4.1 J6#19.1 R3#16.2 U1#9.1
Board_17-Vout: J9#15.1 J10#12.1 U1#9.2
Board_18-GNDA: C3#3.1 C4#19.1 J3#2.1 J4#16.1 R1#5.2 R2#19.2 U1#3.3
Board_18-GNDD: C1#5.1 C2#10.1 D1#14.3 J7#9.1 J8#19.1 R1#5.1 R2#19.1
Board_18-LED_IN: D1#14.4 J13#13.1 J14#14.1
Board_18-LED_OUT: D1#14.2 J11#10.1 J12#15.1
Board_18-VDD: C1#5.2 C2#10.2 D1#14.1 J1#19.1 J2#4.1 R3#14.1
Board_18-VDDA: C3#3.2 C4#19.2 J5#12.1 J6#20.1 R3#14.2 U1#3.1
Board_18-Vout: J9#12.1 J10#20.1 U1#3.2
Board_19-GNDA: C3#15.1 C4#5.1 J3#10.1 J4#17.1 R1#12.2 R2#14.2 U1#7.3
Board_19-GNDD: C1#2.1 C2#16.1 D1#10.3 J7#8.1 J8#2.1 R1#12.1 R2#14.1
Board_19-LED_IN: D1#10.4 J13#12.1 J14#18.1
Board_19-LED_OUT: D1#10.2 J11#17.1 J12#6.1
Board_19-VDD: C1#2.2 C2#16.2 D1#10.1 J1.1 J2#9.1 R3#2.1
Board_19-VDDA: C3#15.2 C4#5.2 J5#3.1 J6#17.1 R3#2.2 U1#7.1
Board_19-Vout: J9#2.1 J10#6.1 U1#7.2

Pads without a net: NOREF 1; NOREF#2 1; NOREF#3 1; NOREF#4 1; NOREF#5 1; NOREF#6 1; NOREF#7 1; NOREF#8 1; NOREF#9 1; NOREF#10 1; NOREF#11 1; NOREF#12 1; NOREF#13 1; NOREF#14 1; NOREF#15 1; NOREF#16 1; NOREF#17 1; NOREF#18 1; NOREF#19 1; NOREF#20 1; NOREF#21 1; NOREF#22 1; NOREF#23 1; NOREF#24 1; NOREF#25 1; NOREF#26 1; NOREF#27 1; NOREF#28 1; NOREF#29 1; NOREF#30 1; NOREF#31 1; NOREF#32 1; NOREF#33 1; NOREF#34 1; NOREF#35 1; NOREF#36 1; NOREF#37 1; NOREF#38 1; NOREF#39 1; NOREF#40 1

## Via types
v1: diameter 0.8, hole 0.4, Top to Bottom, 320 vias

## Routing (per net, layer and track width the routed paths; a pad name or vN(x,y) marks a point on that pad's centre or on a via; arc(x,y) is an arc through that point)
Board_0-GNDA:
  vias: v1(10.66,69.08) v1(11.26,70.94) v1(11.31,73.28) v1(13.66,68.33) v1(14.06,72.58) v1(15.36,72.58) v1(19.11,70.93) v1(20.2,69.88) v1(20.86,74.28) v1(22.11,74.28) v1(22.7,68.12) v1(23.54,73.38) v1(24.16,68.78) v1(24.21,70.23)
Board_0-GNDD:
  vias: v1(20.32,62.44) v1(21.7,63.48)
Board_0-LED_IN: length 19.7
  Bottom w0.3: J14#4.1 13.08,61.42 18.29,61.42 18.92,60.79 24.13,60.79 24.7,61.36 J13#16.1 23.45,63.33 23.06,63.33 22,64.38 21.31,64.38 20.43,65.25 D1#12.4
Board_0-LED_OUT: length 14.7
  Bottom w0.3: J12#8.1 21.97,61.42 19.56,61.42 18.8,62.18 15.49,62.18 15.11,62.57 D1#12.2 15.03,63.58 11.68,63.58 10.34,62.24 J11.1
Board_0-VDD: length 17.9
  Bottom w0.5: C2#15.2 21.86,65.3 20.78,66.38 20.11,66.38 R3#5.1 19.71,66.98 19.61,66.88 15.91,66.88 15.11,66.08 D1#12.1 13.23,65.25 C1#8.2 10.57,65.26 J2#8.1 ; 22.99,65.1 23.49,64.59 J1#11.1
Board_0-VDDA: length 20.1
  Bottom w0.5: J6#18.1 24.37,71.44 C3#14.2 21.5,70.78 21.25,70.53 21.25,69.53 20.11,68.38 R3#5.2 20.08,68.15 16.96,68.15 16.33,68.79 15.11,68.79 14.73,69.17 14.73,69.79 14.24,69.79 11.81,72.22 J5.1
Board_0-Vout: length 16.7
  Bottom w0.5: 16.39,76.27 15.37,77.3 J10#2.1 ; 16.39,76.27 U1#14.2 ; 16.39,76.27 16.39,76.28 17.4,77.3 J9#4.1
Board_1-GNDA:
  vias: v1(29.7,69.08) v1(30.36,73.28) v1(30.31,70.94) v1(32.7,68.33) v1(33.11,72.58) v1(34.41,72.58) v1(38.16,70.93) v1(39.25,69.88) v1(39.91,74.28) v1(41.16,74.28) v1(41.75,68.12) v1(42.59,73.38) v1(43.26,70.23) v1(43.21,68.78)
Board_1-GNDD:
  vias: v1(39.37,62.44) v1(40.75,63.48)
Board_1-LED_IN: length 19.7
  Bottom w0.3: J14#2.1 32.13,61.42 37.34,61.42 37.97,60.79 43.18,60.79 43.75,61.36 J13#3.1 42.5,63.33 42.1,63.33 41.06,64.38 40.35,64.38 39.48,65.25 D1#5.4
Board_1-LED_OUT: length 14.7
  Bottom w0.3: J12.1 41.02,61.42 38.61,61.42 37.84,62.18 34.54,62.18 34.16,62.57 D1#5.2 34.08,63.58 30.73,63.58 29.39,62.24 J11#15.1
Board_1-VDD: length 17.9
  Bottom w0.5: C2#5.2 40.91,65.3 39.83,66.38 39.16,66.38 R3#3.1 38.76,66.98 38.66,66.88 34.95,66.88 34.16,66.08 D1#5.1 32.28,65.25 C1#9.2 29.62,65.26 J2#14.1 ; 42.04,65.1 42.54,64.59 J1#16.1
Board_1-VDDA: length 20.1
  Bottom w0.5: J6#10.1 43.42,71.44 C3#19.2 40.56,70.78 40.31,70.53 40.31,69.53 39.16,68.38 R3#3.2 39.13,68.15 36.01,68.15 35.38,68.79 34.16,68.79 33.78,69.17 33.78,69.79 33.29,69.79 30.86,72.22 J5#20.1
Board_1-Vout: length 16.7
  Bottom w0.5: 35.44,76.27 34.42,77.3 J10.1 ; 35.44,76.27 U1#20.2 ; 35.44,76.27 35.44,76.28 36.45,77.3 J9#14.1
Board_2-GNDA:
  vias: v1(48.75,69.08) v1(49.36,70.94) v1(49.41,73.28) v1(51.75,68.33) v1(52.16,72.58) v1(53.46,72.58) v1(57.21,70.93) v1(58.31,69.88) v1(58.96,74.28) v1(60.21,74.28) v1(60.81,68.12) v1(61.64,73.38) v1(62.25,68.78) v1(62.31,70.23)
Board_2-GNDD:
  vias: v1(58.42,62.44) v1(59.81,63.48)
Board_2-LED_IN: length 19.7
  Bottom w0.3: J14#3.1 51.18,61.42 56.39,61.42 57.02,60.79 62.23,60.79 62.81,61.36 J13#9.1 61.56,63.33 61.16,63.33 60.1,64.38 59.41,64.38 58.53,65.25 D1#6.4
Board_2-LED_OUT: length 14.7
  Bottom w0.3: J12#10.1 60.07,61.42 57.66,61.42 56.9,62.18 53.59,62.18 53.21,62.57 D1#6.2 53.13,63.58 49.78,63.58 48.44,62.24 J11#11.1
